# KiCad board Oblique Palette 0.5.1 PCB Main.kicad_pcb (continued)
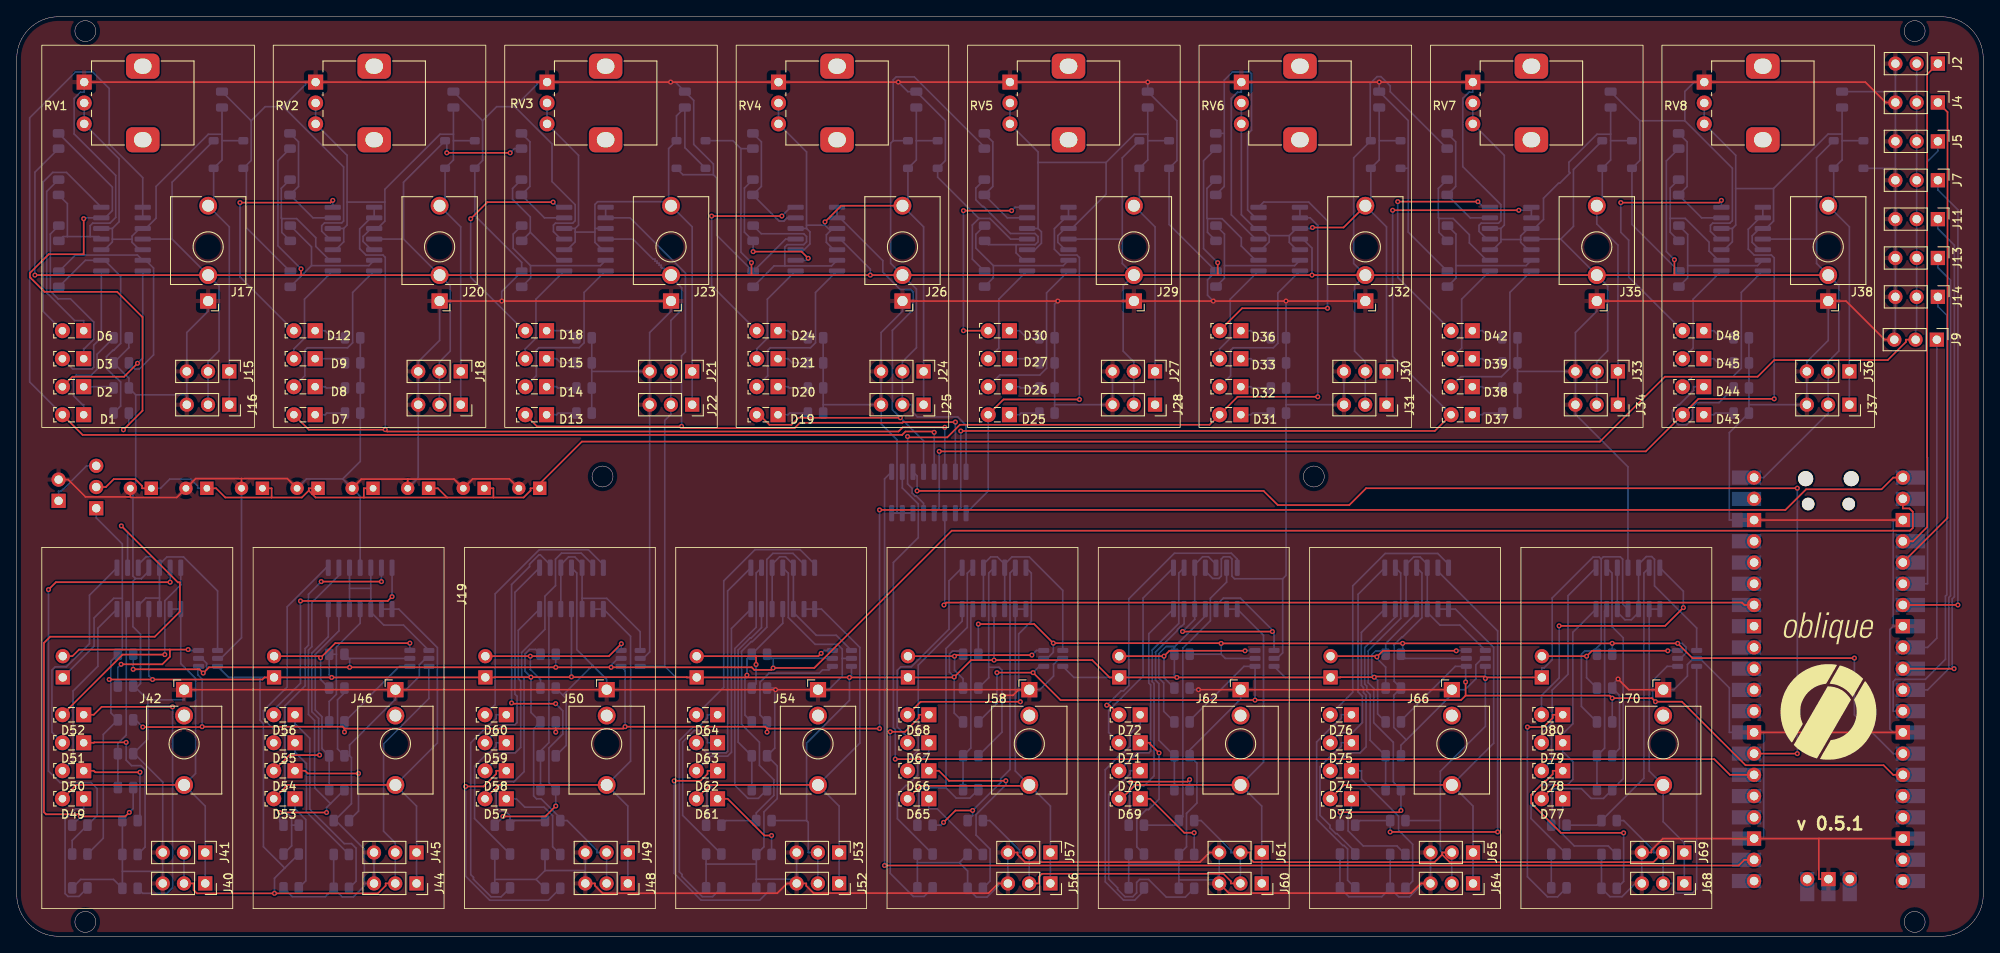
[diagram p0: board, top side]
## Placement (name value [footprint] x y rotation side) (continued)
U13  MCP4725xxx-xCH  [SOT-23-6]  48.11 33.24 180 bottom  (not fitted)
U14  MCP6004  [SOIC-14_3.9x8.7mm_P1.27mm]  41.04 41.61 90 bottom
U15  MCP4725xxx-xCH  [SOT-23-6]  73.36 33.24 180 bottom  (not fitted)
U16  MCP6004  [SOIC-14_3.9x8.7mm_P1.27mm]  66.29 41.61 90 bottom
U17  MCP4725xxx-xCH  [SOT-23-6]  98.61 33.24 180 bottom  (not fitted)
U18  MCP6004  [SOIC-14_3.9x8.7mm_P1.27mm]  91.54 41.61 90 bottom
U19  MCP4725xxx-xCH  [SOT-23-6]  123.86 33.24 180 bottom  (not fitted)
U20  MCP6004  [SOIC-14_3.9x8.7mm_P1.27mm]  116.79 41.61 90 bottom
U21  MCP4725xxx-xCH  [SOT-23-6]  149.11 33.24 180 bottom  (not fitted)
U22  MCP6004  [SOIC-14_3.9x8.7mm_P1.27mm]  142.04 41.61 90 bottom
U23  MCP4725xxx-xCH  [SOT-23-6]  174.36 33.24 180 bottom  (not fitted)
U24  MCP6004  [SOIC-14_3.9x8.7mm_P1.27mm]  167.29 41.61 90 bottom
U25  MCP4725xxx-xCH  [SOT-23-6]  199.61 33.24 180 bottom  (not fitted)
U26  MCP6004  [SOIC-14_3.9x8.7mm_P1.27mm]  192.54 41.61 90 bottom

## Library data of the parts
C1-C8 = -: Description: Polarized capacitor, small symbol; ki_fp_filters: CP_*
C9-C16 = -: Description: Unpolarized capacitor; ki_fp_filters: C_*
D1-D3 D6-D9 D12-D15 D18-D21 D24-D27 D30-D33 D36-D39 D42-D45 D48-D80 = -: Datasheet: http://www.osram-os.com/Graphics/XPic0/00203825_0.pdf; Description: 850nm High Power Infrared Emitter, Side-Emitter package; ki_fp_filters: LED*SideEmitter*Rectangular*W4.5mm*H1.6mm*
D4 D5 D10 D11 D16 D17 D22 D23 D28 D29 D34 D35 D40 D41 D46 D47 = -: Description: Diode; Sim.Device: D; Sim.Pins: 1=K 2=A; ki_fp_filters: TO-???* *_Diode_* *SingleDiode* D_*
J2 J4 J5 J7 J9 J11 J13-J16 J18 J19 J21 J22 J24 J25 J27 J28 J30 J31 J33 J34 J36 J37 J40 J41 J44 J45 J48 J49 J52 J53 J56 J57 J60 J61 J64 J65 J68 J69 J71 = -: Description: Generic connector, single row, 01x03, script generated; ki_fp_filters: Connector*:*_1x??_*
J17 J20 J23 J26 J29 J32 J35 J38 J42 J46 J50 J54 J58 J62 J66 J70 = -: Description: Audio Jack, 2 Poles (Mono / TS), Switched T Pole (Normalling); ki_fp_filters: Jack*
J39 J43 J47 J51 J55 J59 J63 J67 J72 = -: Description: Generic connector, single row, 01x02, script generated; ki_fp_filters: Connector*:*_1x??_*
R1-R152 = -: Description: Resistor; ki_fp_filters: R_*
RV1-RV8 = -: Description: Potentiometer with a mounting pin; ki_fp_filters: Potentiometer*
U1 = -: Datasheet: http://www.ti.com/lit/ds/symlink/cd4052b.pdf; Description: CMOS single 8-channel analog multiplexer demultiplexer, TSSOP-16/DIP-16/SOIC-16; ki_fp_filters: TSSOP*4.4x5mm*P0.65mm* DIP*W7.62* SOIC*3.9x9.9mm*P1.27mm* SO*5.3x10.2mm*P1.27mm*
U3-U10 U12 U14 U16 U18 U20 U22 U24 U26 = -: Datasheet: http://ww1.microchip.com/downloads/en/DeviceDoc/21733j.pdf; Description: 1MHz, Low-Power Op Amp, DIP-14/SOIC-14/TSSOP-14; ki_fp_filters: SOIC*3.9x8.7mm*P1.27mm* DIP*W7.62mm* TSSOP*4.4x5mm*P0.65mm* SSOP*5.3x6.2mm*P0.65mm* MSOP*3x3mm*P0.5mm*
U11 U13 U15 U17 U19 U21 U23 U25 = -: Datasheet: http://ww1.microchip.com/downloads/en/DeviceDoc/22039d.pdf; Description: 12-bit Digital-to-Analog Converter, integrated EEPROM, I2C interface, SOT-23-6; ki_fp_filters: SOT?23*

## Footprints (pads in the part's own frame, mm; a bottom-side part is the same pattern mirrored in y, then rotated)
C_0805_2012Metric
  rrect 1x1.45 smd: 1(-0.95,0) 2(0.95,0)
CP_Radial_D5.0mm_P2.50mm
  rect 1.6x1.6 hole 0.8: 1(0,0)
  round 1.6 hole 0.8: 2(2.5,0)
D_SOD-123
  rrect 0.9x1.2 smd: 1(-1.65,0) 2(1.65,0)
Jack_3.5mm_QingPu_WQP-PJ398SM_Vertical_CircularHoles
  rect 1.93x1.83 hole 1.22: S(0,0)
  round 2.13 hole 1.43: T(0,-11.4)
  round 2.13 hole 1.42: TN(0,-3.1)
LED_SideEmitter_Rectangular_W4.5mm_H1.6mm
  rect 1.8x1.8 hole 0.9: 1(0,0)
  round 1.8 hole 0.9: 2(2.54,0)
PinHeader_1x02_P2.54mm_Vertical
  rect 1.7x1.7 hole 1: 1(0,0)
  oval 1.7x1.7 hole 1: 2(0,-2.54)
PinHeader_1x03_P2.54mm_Vertical
  rect 1.7x1.7 hole 1: 1(0,0)
  oval 1.7x1.7 hole 1: 2(0,-2.54) 3(0,-5.08)
PinSocket_1x03_P2.54mm_Vertical
  rect 1.7x1.7 hole 1: 1(0,0)
  oval 1.7x1.7 hole 1: 2(0,-2.54) 3(0,-5.08)
Potentiometer_Alps_RK09K_Single_Vertical
  rect 1.8x1.8 hole 1: 1(0,0)
  round 1.8 hole 1: 2(0,-2.5) 3(0,-5)
  rrect 4x3 hole 2.1x1.8: MP(7,1.9) MP(7,-6.9)
R_0805_2012Metric
  rrect 1.025x1.4 smd: 1(-0.912,0) 2(0.912,0)
RPi_Pico_SMD_TH
  oval 1.8x1.8 hole 1.8 unplated: (-2.725,24) (2.725,24)
  oval 1.5x1.5 hole 1.5 unplated: (-2.425,20.97) (2.425,20.97)
  oval 1.7x1.7 hole 1.02: 1(-8.89,24.13) 2(-8.89,21.59) 4(-8.89,16.51) 5(-8.89,13.97) 6(-8.89,11.43) 7(-8.89,8.89) 9(-8.89,3.81) 10(-8.89,1.27) 11(-8.89,-1.27) 12(-8.89,-3.81) 14(-8.89,-8.89) 15(-8.89,-11.43) 16(-8.89,-13.97) 17(-8.89,-16.51) 19(-8.89,-21.59) 20(-8.89,-24.13) 21(8.89,-24.13) 22(8.89,-21.59) 24(8.89,-16.51) 25(8.89,-13.97) 26(8.89,-11.43) 27(8.89,-8.89) 29(8.89,-3.81) 30(8.89,-1.27) 31(8.89,1.27) 32(8.89,3.81) 34(8.89,8.89) 35(8.89,11.43) 36(8.89,13.97) 37(8.89,16.51) 39(8.89,21.59) 40(8.89,24.13) 41(-2.54,-23.9) 43(2.54,-23.9)
  rect 3.5x1.7 smd: 1(-8.89,24.13) 2(-8.89,21.59) 3(-8.89,19.05) 4(-8.89,16.51) 5(-8.89,13.97) 6(-8.89,11.43) 7(-8.89,8.89) 8(-8.89,6.35) 9(-8.89,3.81) 10(-8.89,1.27) 11(-8.89,-1.27) 12(-8.89,-3.81) 13(-8.89,-6.35) 14(-8.89,-8.89) 15(-8.89,-11.43) 16(-8.89,-13.97) 17(-8.89,-16.51) 18(-8.89,-19.05) 19(-8.89,-21.59) 20(-8.89,-24.13) 21(8.89,-24.13) 22(8.89,-21.59) 23(8.89,-19.05) 24(8.89,-16.51) 25(8.89,-13.97) 26(8.89,-11.43) 27(8.89,-8.89) 28(8.89,-6.35) 29(8.89,-3.81) 30(8.89,-1.27) 31(8.89,1.27) 32(8.89,3.81) 33(8.89,6.35) 34(8.89,8.89) 35(8.89,11.43) 36(8.89,13.97) 37(8.89,16.51) 38(8.89,19.05) 39(8.89,21.59) 40(8.89,24.13)
  rect 1.7x1.7 hole 1.02: 3(-8.89,19.05) 8(-8.89,6.35) 13(-8.89,-6.35) 18(-8.89,-19.05) 23(8.89,-19.05) 28(8.89,-6.35) 33(8.89,6.35) 38(8.89,19.05) 42(0,-23.9)
  rect 1.7x3.5 smd: 41(-2.54,-23.9) 42(0,-23.9) 43(2.54,-23.9)
SOIC-14_3.9x8.7mm_P1.27mm
  rrect 1.95x0.6 smd: 1(-2.475,3.81) 2(-2.475,2.54) 3(-2.475,1.27) 4(-2.475,0) 5(-2.475,-1.27) 6(-2.475,-2.54) 7(-2.475,-3.81) 8(2.475,-3.81) 9(2.475,-2.54) 10(2.475,-1.27) 11(2.475,0) 12(2.475,1.27) 13(2.475,2.54) 14(2.475,3.81)
SOIC-16_3.9x9.9mm_P1.27mm
  rrect 1.95x0.6 smd: 1(-2.475,4.445) 2(-2.475,3.175) 3(-2.475,1.905) 4(-2.475,0.635) 5(-2.475,-0.635) 6(-2.475,-1.905) 7(-2.475,-3.175) 8(-2.475,-4.445) 9(2.475,-4.445) 10(2.475,-3.175) 11(2.475,-1.905) 12(2.475,-0.635) 13(2.475,0.635) 14(2.475,1.905) 15(2.475,3.175) 16(2.475,4.445)
SOT-23-6
  rrect 1.325x0.6 smd: 1(-1.137,0.95) 2(-1.137,0) 3(-1.137,-0.95) 4(1.137,-0.95) 5(1.137,0) 6(1.137,0.95)

## Nets
GNDREF: C1.2 C2.2 C3.2 C4.2 C5.2 C6.2 C7.2 C8.2 C9.2 C10.2 C11.2 C12.2 C13.2 C14.2 C15.2 C16.2 D5.2 D11.2 D17.2 D23.2 D29.2 D35.2 D41.2 D47.2 J2.3 J4.3 J5.3 J7.3 J9.3 J11.3 J13.3 J14.3 J15.3 J16.3 J17.S J18.3 J19.3 J20.S J21.3 J22.3 J23.S J24.3 J25.3 J26.S J27.3 J28.3 J29.S J30.3 J31.3 J32.S J33.3 J34.3 J35.S J36.3 J37.3 J38.S J40.3 J41.3 J42.S J44.3 J45.3 J46.S J48.3 J49.3 J50.S J52.3 J53.3 J54.S J56.3 J57.3 J58.S J60.3 J61.3 J62.S J64.3 J65.3 J66.S J68.3 J69.3 J70.S J72.2 R1.2 R2.1 R3.2 R5.2 R7.2 R9.2 R10.1 R11.2 R13.2 R15.2 R17.2 R18.1 R19.2 R21.2 R23.2 R25.2 R26.1 R27.2 R29.2 R31.2 R33.2 R34.1 R35.2 R37.2 R39.2 R41.2 R42.1 R43.2 R45.2 R47.2 R49.2 R50.1 R51.2 R53.2 R55.2 R57.2 R58.1 R59.2 R61.2 R63.2 R66.1 R68.1 R72.2 R73.2 R74.2 R75.2 R77.1 R79.1 R83.2 R84.2 R85.2 R86.2 R88.1 R90.1 R94.2 R95.2 R96.2 R97.2 R99.1 R101.1 R105.2 R106.2 R107.2 R108.2 R110.1 R112.1 R116.2 R117.2 R118.2 R119.2 R121.1 R123.1 R127.2 R128.2 R129.2 R130.2 R132.1 R134.1 R138.2 R139.2 R140.2 R141.2 R143.1 R145.1 R149.2 R150.2 R151.2 R152.2 RV1.1 RV2.1 RV3.1 RV4.1 RV5.1 RV6.1 RV7.1 RV8.1 U1.6 U1.7 U1.8 U2.3 U2.8 U2.13 U2.18 U2.23 U2.28 U2.38 U2.42 U3.11 U4.11 U5.11 U6.11 U7.11 U8.11 U9.11 U10.11 U11.2 U12.11 U13.2 U14.11 U15.2 U16.11 U17.2 U18.11 U19.2 U20.11 U21.2 U22.11 U23.2 U24.11 U25.2 U26.11
VCC: D4.1 D10.1 D16.1 D22.1 D28.1 D34.1 D40.1 D46.1 J15.2 J16.2 J17.TN J18.2 J19.2 J20.TN J21.2 J22.2 J23.TN J24.2 J25.2 J26.TN J27.2 J28.2 J29.TN J30.2 J31.2 J32.TN J33.2 J34.2 J35.TN J36.2 J37.2 J38.TN J39.1 J40.2 J41.2 J43.1 J44.2 J45.2 J47.1 J48.2 J49.2 J51.1 J52.2 J53.2 J55.1 J56.2 J57.2 J59.1 J60.2 J61.2 J63.1 J64.2 J65.2 J67.1 J68.2 J69.2 J71.1 R8.2 R16.2 R24.2 R32.2 R40.2 R48.2 R56.2 R64.2 R65.2 R67.2 R71.1 R76.2 R78.2 R82.1 R87.2 R89.2 R93.1 R98.2 R100.2 R104.1 R109.2 R111.2 R115.1 R120.2 R122.2 R126.1 R131.2 R133.2 R137.1 R142.2 R144.2 R148.1 U1.16 U2.40 U3.4 U4.4 U5.4 U6.4 U7.4 U8.4 U9.4 U10.4 U11.3 U12.4 U13.3 U14.4 U15.3 U16.4 U17.3 U18.4 U19.3 U20.4 U21.3 U22.4 U23.3 U24.4 U25.3 U26.4
/Input 1/ANALOG_IN: D1.2 U1.13 U3.1 U3.2
/Input 2/ANALOG_IN: D7.2 U1.14 U4.1 U4.2
/Input 3/ANALOG_IN: D13.2 U1.15 U5.1 U5.2
/Input 4/ANALOG_IN: D19.2 U1.12 U6.1 U6.2
/Input 5/ANALOG_IN: D25.2 U1.1 U7.1 U7.2
/Input 6/ANALOG_IN: D31.2 U1.5 U8.1 U8.2
/Input 7/ANALOG_IN: D37.2 U1.2 U9.1 U9.2
/Input 8/ANALOG_IN: D43.2 U1.4 U10.1 U10.2
ADC: U1.3 U2.34
ADC_0: U1.11 U2.27
ADC_1: U1.10 U2.26
ADC_2: U1.9 U2.22
SCL_0: R65.1 R76.1 R87.1 R98.1 U2.2 U11.5 U13.5 U15.5 U17.5
SCL_1: R111.1 R122.1 R133.1 R144.1 U2.15 U19.4 U21.4 U23.4 U25.4
SDA_0: R67.1 R78.1 R89.1 R100.1 U2.1 U11.4 U13.4 U15.4 U17.4
SDA_1: R109.1 R120.1 R131.1 R142.1 U2.14 U19.5 U21.5 U23.5 U25.5
SERVO_1: J2.1 U2.4
SERVO_2: J4.1 U2.5
SERVO_3: J5.1 U2.6
SERVO_4: J7.1 U2.7
SERVO_5: J9.1 U2.9
SERVO_6: J11.1 U2.10
SERVO_7: J13.1 U2.11
SERVO_8: J14.1 U2.12
V_SERVO: C1.1 C2.1 C3.1 C4.1 C5.1 C6.1 C7.1 C8.1 J2.2 J4.2 J5.2 J7.2 J9.2 J11.2 J13.2 J14.2 J71.2
Net-(D1-K): D1.1 R1.1
Net-(D2-A): D2.2 U3.7
Net-(D2-K): D2.1 R3.1
Net-(D3-A): D3.2 U3.8
Net-(D3-K): D3.1 R5.1
Net-(D4-A): C9.1 D4.2 D5.1 J15.1 J16.1 J17.T RV1.2 RV1.3 U3.3 U3.5 U3.10 U3.12
Net-(D6-A): D6.2 U3.14
Net-(D6-K): D6.1 R7.1
Net-(D7-K): D7.1 R9.1
Net-(D8-A): D8.2 U4.7
Net-(D8-K): D8.1 R11.1
Net-(D9-A): D9.2 U4.8
Net-(D9-K): D9.1 R13.1
Net-(D10-A): C10.1 D10.2 D11.1 J18.1 J19.1 J20.T RV2.2 RV2.3 U4.3 U4.5 U4.10 U4.12
Net-(D12-A): D12.2 U4.14
Net-(D12-K): D12.1 R15.1
Net-(D13-K): D13.1 R17.1
Net-(D14-A): D14.2 U5.7
Net-(D14-K): D14.1 R19.1
Net-(D15-A): D15.2 U5.8
Net-(D15-K): D15.1 R21.1
Net-(D16-A): C11.1 D16.2 D17.1 J21.1 J22.1 J23.T RV3.2 RV3.3 U5.3 U5.5 U5.10 U5.12
Net-(D18-A): D18.2 U5.14
Net-(D18-K): D18.1 R23.1
Net-(D19-K): D19.1 R25.1
Net-(D20-A): D20.2 U6.7
Net-(D20-K): D20.1 R27.1
Net-(D21-A): D21.2 U6.8
Net-(D21-K): D21.1 R29.1
Net-(D22-A): C12.1 D22.2 D23.1 J24.1 J25.1 J26.T RV4.2 RV4.3 U6.3 U6.5 U6.10 U6.12
Net-(D24-A): D24.2 U6.14
Net-(D24-K): D24.1 R31.1
Net-(D25-K): D25.1 R33.1
Net-(D26-A): D26.2 U7.7
Net-(D26-K): D26.1 R35.1
Net-(D27-A): D27.2 U7.8
Net-(D27-K): D27.1 R37.1
Net-(D28-A): C13.1 D28.2 D29.1 J27.1 J28.1 J29.T RV5.2 RV5.3 U7.3 U7.5 U7.10 U7.12
Net-(D30-A): D30.2 U7.14
Net-(D30-K): D30.1 R39.1
Net-(D31-K): D31.1 R41.1
Net-(D32-A): D32.2 U8.7
Net-(D32-K): D32.1 R43.1
Net-(D33-A): D33.2 U8.8
Net-(D33-K): D33.1 R45.1
Net-(D34-A): C14.1 D34.2 D35.1 J30.1 J31.1 J32.T RV6.2 RV6.3 U8.3 U8.5 U8.10 U8.12
Net-(D36-A): D36.2 U8.14
Net-(D36-K): D36.1 R47.1
Net-(D37-K): D37.1 R49.1
Net-(D38-A): D38.2 U9.7
Net-(D38-K): D38.1 R51.1
Net-(D39-A): D39.2 U9.8
Net-(D39-K): D39.1 R53.1
Net-(D40-A): C15.1 D40.2 D41.1 J33.1 J34.1 J35.T RV7.2 RV7.3 U9.3 U9.5 U9.10 U9.12
Net-(D42-A): D42.2 U9.14
Net-(D42-K): D42.1 R55.1
Net-(D43-K): D43.1 R57.1
Net-(D44-A): D44.2 U10.7
Net-(D44-K): D44.1 R59.1
Net-(D45-A): D45.2 U10.8
Net-(D45-K): D45.1 R61.1
Net-(D46-A): C16.1 D46.2 D47.1 J36.1 J37.1 J38.T RV8.2 RV8.3 U10.3 U10.5 U10.10 U10.12
Net-(D48-A): D48.2 U10.14
Net-(D48-K): D48.1 R63.1
Net-(D49-A): D49.2 J40.1 J41.1 J42.T U12.1 U12.2
Net-(D49-K): D49.1 R72.1
Net-(D50-A): D50.2 U12.7
Net-(D50-K): D50.1 R73.1
Net-(D51-A): D51.2 U12.8
Net-(D51-K): D51.1 R74.1
Net-(D52-A): D52.2 U12.14
Net-(D52-K): D52.1 R75.1
Net-(D53-A): D53.2 J44.1 J45.1 J46.T U14.1 U14.2
Net-(D53-K): D53.1 R83.1
Net-(D54-A): D54.2 U14.7
Net-(D54-K): D54.1 R84.1
Net-(D55-A): D55.2 U14.8
Net-(D55-K): D55.1 R85.1
Net-(D56-A): D56.2 U14.14
Net-(D56-K): D56.1 R86.1
Net-(D57-A): D57.2 J48.1 J49.1 J50.T U16.1 U16.2
Net-(D57-K): D57.1 R94.1
Net-(D58-A): D58.2 U16.7
Net-(D58-K): D58.1 R95.1
Net-(D59-A): D59.2 U16.8
Net-(D59-K): D59.1 R96.1
Net-(D60-A): D60.2 U16.14
Net-(D60-K): D60.1 R97.1
Net-(D61-A): D61.2 J52.1 J53.1 J54.T U18.1 U18.2
Net-(D61-K): D61.1 R105.1
Net-(D62-A): D62.2 U18.7
Net-(D62-K): D62.1 R106.1
Net-(D63-A): D63.2 U18.8
Net-(D63-K): D63.1 R107.1
Net-(D64-A): D64.2 U18.14
Net-(D64-K): D64.1 R108.1
Net-(D65-A): D65.2 J56.1 J57.1 J58.T U20.1 U20.2
Net-(D65-K): D65.1 R116.1
Net-(D66-A): D66.2 U20.7
Net-(D66-K): D66.1 R117.1
Net-(D67-A): D67.2 U20.8
Net-(D67-K): D67.1 R118.1
Net-(D68-A): D68.2 U20.14
Net-(D68-K): D68.1 R119.1
Net-(D69-A): D69.2 J60.1 J61.1 J62.T U22.1 U22.2
Net-(D69-K): D69.1 R127.1
Net-(D70-A): D70.2 U22.7
Net-(D70-K): D70.1 R128.1
Net-(D71-A): D71.2 U22.8
Net-(D71-K): D71.1 R129.1
Net-(D72-A): D72.2 U22.14
Net-(D72-K): D72.1 R130.1
Net-(D73-A): D73.2 J64.1 J65.1 J66.T U24.1 U24.2
Net-(D73-K): D73.1 R138.1
Net-(D74-A): D74.2 U24.7
Net-(D74-K): D74.1 R139.1
Net-(D75-A): D75.2 U24.8
Net-(D75-K): D75.1 R140.1
Net-(D76-A): D76.2 U24.14
Net-(D76-K): D76.1 R141.1
Net-(D77-A): D77.2 J68.1 J69.1 J70.T U26.1 U26.2
Net-(D77-K): D77.1 R149.1
Net-(D78-A): D78.2 U26.7
Net-(D78-K): D78.1 R150.1
Net-(D79-A): D79.2 U26.8
Net-(D79-K): D79.1 R151.1
Net-(D80-A): D80.2 U26.14
Net-(D80-K): D80.1 R152.1
Net-(J39-Pin_2): J39.2 R66.2 U11.6
Net-(J43-Pin_2): J43.2 R77.2 U13.6
Net-(J47-Pin_2): J47.2 R88.2 U15.6
Net-(J51-Pin_2): J51.2 R99.2 U17.6
Net-(J55-Pin_2): J55.2 R110.2 U19.6
Net-(J59-Pin_2): J59.2 R121.2 U21.6
Net-(J63-Pin_2): J63.2 R132.2 U23.6
Net-(J67-Pin_2): J67.2 R143.2 U25.6
Net-(J71-Pin_3): J71.3 J72.1
Net-(U3B--): R2.2 R4.1 U3.6
Net-(U3C--): R4.2 R6.1 U3.9
Net-(U3D--): R6.2 R8.1 U3.13
Net-(U4B--): R10.2 R12.1 U4.6
Net-(U4C--): R12.2 R14.1 U4.9
Net-(U4D--): R14.2 R16.1 U4.13
Net-(U5B--): R18.2 R20.1 U5.6
Net-(U5C--): R20.2 R22.1 U5.9
Net-(U5D--): R22.2 R24.1 U5.13
Net-(U6B--): R26.2 R28.1 U6.6
Net-(U6C--): R28.2 R30.1 U6.9
Net-(U6D--): R30.2 R32.1 U6.13
Net-(U7B--): R34.2 R36.1 U7.6
Net-(U7C--): R36.2 R38.1 U7.9
Net-(U7D--): R38.2 R40.1 U7.13
Net-(U8B--): R42.2 R44.1 U8.6
Net-(U8C--): R44.2 R46.1 U8.9
Net-(U8D--): R46.2 R48.1 U8.13
Net-(U9B--): R50.2 R52.1 U9.6
Net-(U9C--): R52.2 R54.1 U9.9
Net-(U9D--): R54.2 R56.1 U9.13
Net-(U10B--): R58.2 R60.1 U10.6
Net-(U10C--): R60.2 R62.1 U10.9
Net-(U10D--): R62.2 R64.1 U10.13
Net-(U11-VOUT): U11.1 U12.3 U12.5 U12.10 U12.12
Net-(U12B--): R68.2 R69.2 U12.6
Net-(U12C--): R69.1 R70.2 U12.9
Net-(U12D--): R70.1 R71.2 U12.13
Net-(U13-VOUT): U13.1 U14.3 U14.5 U14.10 U14.12
Net-(U14B--): R79.2 R80.2 U14.6
Net-(U14C--): R80.1 R81.2 U14.9
Net-(U14D--): R81.1 R82.2 U14.13
Net-(U15-VOUT): U15.1 U16.3 U16.5 U16.10 U16.12
Net-(U16B--): R90.2 R91.2 U16.6
Net-(U16C--): R91.1 R92.2 U16.9
Net-(U16D--): R92.1 R93.2 U16.13
Net-(U17-VOUT): U17.1 U18.3 U18.5 U18.10 U18.12
Net-(U18B--): R101.2 R102.2 U18.6
Net-(U18C--): R102.1 R103.2 U18.9
Net-(U18D--): R103.1 R104.2 U18.13
Net-(U19-VOUT): U19.1 U20.3 U20.5 U20.10 U20.12
Net-(U20B--): R112.2 R113.2 U20.6
Net-(U20C--): R113.1 R114.2 U20.9
Net-(U20D--): R114.1 R115.2 U20.13
Net-(U21-VOUT): U21.1 U22.3 U22.5 U22.10 U22.12
Net-(U22B--): R123.2 R124.2 U22.6
Net-(U22C--): R124.1 R125.2 U22.9
Net-(U22D--): R125.1 R126.2 U22.13
Net-(U23-VOUT): U23.1 U24.3 U24.5 U24.10 U24.12
Net-(U24B--): R134.2 R135.2 U24.6
Net-(U24C--): R135.1 R136.2 U24.9
Net-(U24D--): R136.1 R137.2 U24.13
Net-(U25-VOUT): U25.1 U26.3 U26.5 U26.10 U26.12
Net-(U26B--): R145.2 R146.2 U26.6
Net-(U26C--): R146.1 R147.2 U26.9
Net-(U26D--): R147.1 R148.2 U26.13

Pads without a net: J42 TN; J46 TN; J50 TN; J54 TN; J58 TN; J62 TN; J66 TN; J70 TN; RV1 MP; RV2 MP; RV3 MP; RV4 MP; RV5 MP; RV6 MP; RV7 MP; RV8 MP; U2 16 17 19 20 21 24 25 29 30 31 32 33 35 36 37 39 41 43

## Via types
v1: diameter 0.6, hole 0.3, Top to Bottom, 164 vias

## Routing (per net, layer and track width the routed paths; a pad name or vN(x,y) marks a point on that pad's centre or on a via; arc(x,y) is an arc through that point)
GNDREF: length 2097.1
  Top w0.2: J32.S v1(151.68,75.99) v1(142.99,75.99) J29.S v1(124.4,75.99) J26.S ; 215.35,11.69 U2.23 196.73,11.69 195.35,10.31 195.35,10.02 J69.3 ; 215.35,11.69 U2.18 ; 215.35,11.69 215.35,6.84 U2.42 ; C5.2 46.72,54.69 ; 46.72,54.69 52.26,54.69 C3.2 54.48,54.71 58.88,54.71 C1.2 ; 46.72,54.69 41.18,54.69 C7.2 ; v1(191.36,30.78) 192.63,29.5 J70.S ; J9.3 223.22,71.37 218.6,75.99 J38.S J35.S ; J72.2 6.15,54.63 8.22,52.56 13.58,52.56 ; 26.86,54.75 21.38,54.75 C6.2 19.12,52.49 13.65,52.49 13.58,52.56 ; 26.86,54.75 C4.2 ; 26.86,54.75 32.34,54.75 C2.2 ; J66.S J62.S v1(141.21,29.5) ; U2.38 U2.3 ; RV1.1 RV2.1 RV3.1 v1(78.14,102.18) RV4.1 v1(105.35,102.18) RV5.1 v1(135.16,102.18) RV6.1 v1(162.83,102.18) RV7.1 RV8.1 220.91,102.18 223.35,99.74 J4.3 ; v1(117.74,28.82) 119.06,28.82 119.73,29.5 ; J42.S J46.S J50.S v1(90.68,29.5) J54.S 119.73,29.5 ; 13.58,52.56 C8.2 ; J64.3 167.79,6.32 166.64,5.17 144.85,5.17 J60.3 ; 119.73,29.5 J58.S ; J56.3 117.29,6.32 116.14,5.17 95.21,5.17 94.35,6.03 94.35,6.32 J52.3 92.04,6.32 90.87,5.15 70,5.15 69.1,6.05 69.1,6.32 67.94,6.32 ; U2.28 U2.13 ; J57.3 119.6,10.02 119.6,9.75 120.48,8.87 141.39,8.87 142.54,10.02 J61.3 ; J20.S v1(57.96,75.99) J23.S
  Bottom w0.2: U6.11 91.89,83.4 R26.1 83.65,83.86 83.65,90.7 83.25,91.1 ; R50.1 166.28,84.24 166.28,91.87 ; 83.25,91.1 79.61,91.1 D17.2 ; 83.25,91.1 83.25,92.38 80.9,94.73 80.9,99.98 C11.2 78.7,102.18 v1(78.14,102.18) ; U8.11 148.05,83.4 145.14,86.31 145.14,100.23 145.89,100.98 146.34,100.98 RV6.1 ; 112.64,8.8 R116.2 ; 112.64,8.8 113.63,7.81 R117.2 114.68,4.69 115.95,4.69 117.29,6.03 117.29,6.32 J56.3 J57.3 ; 112.64,8.8 107.63,8.8 ; R97.2 57.13,6.8 ; 57.13,6.8 62.07,6.8 ; 57.13,6.8 R96.2 ; 15.66,28.28 14.25,29.69 ; 15.66,28.28 15.66,23.59 R68.1 14.05,21.84 17.45,18.45 J41.3 17.45,7.77 ; 15.66,28.28 20,28.28 J42.S ; 14.25,29.69 14.79,30.23 14.79,36.14 13.89,37.04 13.89,42.48 14.19,42.79 ; 14.25,29.69 14.16,29.69 R66.1 ; J45.3 J44.3 41.54,6.32 ; 55.67,97.56 57.35,99.23 59.51,99.23 ; 55.67,97.56 55.67,92.8 D11.2 54.74,86.21 60.34,80.61 R18.1 57.96,77.13 v1(57.96,75.99) ; 55.67,97.56 C10.2 ; 8.77,83.7 9.81,83.7 U3.11 ; 8.77,83.7 8.77,85 9.08,85.31 11.14,85.31 11.83,85.99 11.83,91.01 6.86,95.98 6.86,100.23 7.61,100.98 8.06,100.98 RV1.1 ; 8.77,83.7 6.05,83.7 ; J58.S 122.27,29.5 123.9,31.13 123.9,32.51 124.62,33.24 U19.2 ; J26.S 105.85,74.77 103.29,72.22 J24.3 103.29,64.17 102.72,63.59 ; 68.72,67.57 J21.3 ; 68.72,67.57 R19.2 68.71,65.59 R17.2 ; 68.72,67.57 R21.2 68.72,71.59 R23.2 ; 82.38,8.63 88.38,8.63 ; 82.38,8.63 R107.2 ; 82.38,8.63 R108.2 ; 88.38,8.63 88.38,6.83 ; 88.38,8.63 R105.2 89.29,10.7 89.29,14.88 90.88,16.47 90.88,20.37 R101.1 90.58,22.51 90.58,29.5 ; R140.2 R141.2 159.18,4.73 163.12,4.73 R139.2 ; R99.1 90.39,29.69 90.58,29.5 ; 143.12,6.74 138.88,6.74 ; 143.12,6.74 143.69,7.32 J61.3 ; 143.12,6.74 143.12,6.32 J60.3 ; 138.88,6.74 138.88,8.63 ; 138.88,6.74 R128.2 ; U21.2 150.61,33.24 151.28,33.91 151.28,42.77 ; 59.51,99.23 63.97,94.78 63.97,90.28 66.73,87.51 66.73,85.59 66.44,85.31 64.38,85.31 64.14,85.06 64.14,84.29 65.03,83.4 U5.11 ; 59.51,99.23 62.17,101.89 62.17,102.18 RV3.1 ; 90.58,29.5 v1(90.68,29.5) ; 14.19,42.79 14.89,42.79 15.79,43.68 U12.11 ; 14.19,42.79 13.89,43.09 13.89,53.29 C8.2 14.22,54.23 14.22,64.77 ; 68.82,32.4 66.92,34.29 66.92,43.45 U16.11 ; 68.82,32.4 70.5,30.72 J50.S ; 68.82,32.4 65.26,28.84 ; v1(105.35,102.18) 106.49,101.04 C12.2 110.97,97.57 110.97,92.79 D23.2 110.05,90.8 114.98,85.87 ; 6.05,83.7 5.54,83.7 R5.2 ; 6.05,83.7 6.05,87.64 R7.2 ; 158.03,63.59 151.69,63.59 ; 158.03,63.59 J31.3 ; 158.03,63.59 158.6,64.17 J30.3 ; U2.13 224.24,24.39 223.84,24.79 223.84,36.69 224.24,37.09 224.24,37.09 ; J28.3 130.37,63.59 ; 130.37,63.59 130.95,64.17 J27.3 ; 130.37,63.59 124.03,63.59 ; 39.78,21.59 40,21.37 40,15.86 38.04,13.91 ; 39.78,21.59 39.78,22.89 45.17,28.28 45.25,28.28 J46.S 46.52,29.5 48.11,31.1 48.11,32.48 48.87,33.24 U13.2 ; 39.78,21.59 R79.1 38.34,22.41 38.34,28.3 39.16,29.12 R77.1 ; J21.3 J22.3 75.63,34.01 74.86,33.24 U15.2 ; J21.3 75.63,72.22 78.19,74.77 J23.S ; 102.72,63.59 96.37,63.59 ; 102.72,63.59 J25.3 103.29,61.3 105.19,59.4 105.19,50.61 ; U22.11 142.04,43.68 142.91,42.81 143.67,42.81 143.94,43.09 143.94,45.13 144.2,45.39 144.96,45.39 145.21,45.14 145.21,43.07 145.52,42.77 151.28,42.77 ; 41.54,6.32 41.54,10.41 38.04,13.91 ; 41.54,6.32 41.54,6.03 40.22,4.71 38.9,4.71 R86.2 ; R110.1 116.16,30.93 116.16,32.18 ; 98.65,33.24 98.65,31.13 97.02,29.5 J54.S ; 98.65,33.24 U17.2 ; 98.65,33.24 98.65,34.35 98.08,34.92 95.41,34.92 92.2,38.13 92.2,43.43 U18.11 ; C15.2 193.95,97.56 ; 193.95,97.56 193.95,92.8 D41.2 193.02,85.15 R58.1 ; 193.95,97.56 199.34,97.56 ; 96.37,63.59 R27.2 R29.2 96.37,68.59 R31.2 ; 96.37,63.59 96.37,62.59 R25.2 ; RV2.1 34.52,102.18 34.52,101.89 31.86,99.23 ; R121.1 140.35,29.5 v1(141.21,29.5) ; J33.3 186.26,72.22 188.82,74.77 J35.S ; J33.3 179.34,67.57 ; J33.3 J34.3 186.26,62.44 192.54,56.16 U26.11 ; U2.23 208.76,11.69 208.76,24.39 U2.28 204.66,24.39 204.66,29.71 201.13,33.24 U25.2 200.37,33.24 199.65,32.51 199.65,31.13 198.02,29.5 J70.S ; D35.2 166.28,91.87 ; 166.28,91.87 166.28,97.58 C14.2 162.81,102.17 v1(162.83,102.18) ; 62.07,6.8 R95.2 ; 62.07,6.8 63.13,7.86 ; J62.S 146.25,28.28 146.17,28.28 140.16,22.27 R123.1 141.03,20.72 141.03,15.94 139.79,14.7 139.79,10.7 R127.2 138.88,8.63 ; R72.2 7.64,6.8 11.57,6.8 R75.2 12.63,7.77 ; U1.6 U1.7 105.19,50.61 ; 168.37,6.32 168.94,6.9 J65.3 ; 168.37,6.32 167.79,6.32 167.79,6.08 166.43,4.72 165.15,4.72 R139.2 ; 168.37,6.32 J64.3 ; 88.38,6.83 93.19,6.83 ; 88.38,6.83 R106.2 ; R1.2 13.4,70.41 R2.1 13.4,66.77 R3.2 14.22,64.77 ; 199.34,97.56 205.02,91.88 205.02,85.6 204.72,85.31 202.67,85.31 202.4,85.04 202.4,84.32 203.32,83.4 U10.11 ; 199.34,97.56 199.34,101.06 200.46,102.18 RV8.1 ; 14.22,64.77 20.32,64.77 ; U1.8 105.19,50.61 ; 20.32,64.77 J15.3 20.32,72.22 22.88,74.77 J17.S ; 20.32,64.77 J16.3 ; J52.3 93.19,6.83 ; 93.19,6.83 J53.3 ; R151.2 183.38,8.8 ; 183.38,8.8 189.38,8.8 ; 183.38,8.8 R152.2 ; R119.2 107.63,8.8 ; 107.63,8.8 R118.2 ; U7.11 118.76,83.4 116.29,85.87 114.98,85.87 ; 151.69,63.59 151.69,62.59 R41.2 151.68,43.17 151.28,42.77 ; 151.69,63.59 R43.2 R45.2 151.69,71.59 R47.2 v1(151.68,75.99) ; 213.34,63.59 213.92,64.17 213.92,68.72 216.47,71.28 J38.S ; 213.34,63.59 207,63.59 ; 213.34,63.59 213.92,63.59 ; U11.2 24.4,33.24 26.86,35.7 C4.2 ; 67.94,7.86 67.94,10.02 ; 67.94,7.86 67.94,6.32 ; 67.94,7.86 63.13,7.86 ; 38.04,13.91 37.95,13.91 R84.2 ; 138.88,8.63 132.88,8.63 ; 179.34,67.57 R53.2 179.34,71.59 R55.2 ; 179.34,67.57 R51.2 179.34,62.59 R49.2 ; 116.16,32.18 116.16,43.46 U20.11 ; 116.16,32.18 117.38,32.18 117.74,31.83 v1(117.74,28.82) 117.74,24.41 R112.1 ; R86.2 36.88,4.74 32.93,4.74 R83.2 ; R86.2 R85.2 ; J20.S 50.53,71.28 47.98,68.72 47.98,54.85 C5.2 ; 207,63.59 207,62.59 R57.2 204.66,60.25 204.66,49.79 U2.38 ; 207,63.59 R59.2 R61.2 207,71.59 R63.2 ; R139.2 R138.2 ; 224.5,91.87 J5.3 J4.3 224.5,101.04 ; 224.5,91.87 D47.2 ; 224.5,91.87 J7.3 J11.3 J13.3 J14.3 224.5,72.65 224.37,72.52 J9.3 ; R73.2 R74.2 12.63,7.77 ; 224.24,37.09 224.24,37.09 224.24,49.79 U2.3 ; 224.24,37.09 U2.8 ; R15.2 41.06,71.59 R13.2 R11.2 41.06,62.59 R9.2 41.05,56.81 38.96,54.71 ; RV7.1 174,100.98 173.55,100.98 172.8,100.23 172.8,92.07 177.36,87.51 177.36,85.59 177.07,85.31 175.01,85.31 174.74,85.04 174.74,84.32 175.66,83.4 U9.11 ; R33.2 124.03,62.59 124.03,63.59 ; 31.86,99.23 29.69,99.23 28.01,97.56 ; 31.86,99.23 39.06,92.03 39.06,85.56 38.84,85.34 36.78,85.34 36.45,85 36.45,84.34 37.39,83.4 U4.11 ; 63.13,7.86 R94.2 ; R130.2 132.88,8.63 ; 132.88,8.63 R129.2 ; 114.98,85.87 114.2,85.08 114.2,81 R34.1 ; 38.96,54.71 34.62,54.71 C2.2 ; 38.96,54.71 C7.2 41.04,52.63 U14.11 ; 124.03,63.59 R35.2 R37.2 124.02,68.59 R39.2 124.02,75.61 v1(124.4,75.99) ; v1(135.16,102.18) C13.2 138.64,97.56 138.64,92.8 D29.2 137.71,85.15 R42.1 142.3,78.53 142.3,76.68 v1(142.99,75.99) ; 65.26,28.84 65.66,28.44 65.66,22.84 R90.1 ; 65.26,28.84 R88.1 ; 166.05,23.49 164.56,24.99 164.56,28.83 R132.1 164.6,30.51 164.6,34.88 165.5,35.78 165.59,35.78 167.93,38.12 167.93,43.45 U24.11 ; 166.05,23.49 165.41,22.85 R134.1 ; 166.05,23.49 172.06,29.5 ; 224.5,101.04 C16.2 ; 224.5,101.04 J2.3 ; 189.38,8.8 R150.2 190.38,4.74 191.83,4.74 194.19,7.1 194.19,7.38 ; 189.38,8.8 R149.2 ; 194.19,7.38 J68.3 ; 194.19,7.38 J69.3 ; 12.63,7.77 17.45,7.77 ; R145.1 191.53,22.46 191.53,28.82 R143.1 190.66,30.08 v1(191.36,30.78) ; R10.1 27.44,84.76 27.44,91.51 D5.2 28.01,92.8 28.01,97.56 ; 17.45,7.77 J40.3 ; U23.2 175.12,33.24 174.36,32.48 174.36,30.79 173.07,29.5 172.06,29.5 ; 172.06,29.5 J66.S ; 28.01,97.56 C9.2
VCC: length 1478.9
  Top w0.2: v1(2.17,79.09) J17.TN 33.98,79.09 ; 170.33,9.77 170.33,10.02 J65.2 ; 170.33,9.77 171.24,8.87 195.58,8.87 J69.2 ; 170.33,9.77 169.43,8.87 147.8,8.87 147.39,9.28 147.39,10.02 J61.2 ; J38.TN 198.09,79.09 ; 198.09,79.09 v1(198.09,80.93) ; 198.09,79.09 J35.TN J32.TN v1(154.78,79.09) 143.52,79.09 ; 33.98,79.09 v1(33.98,79.84) ; 33.98,79.09 J20.TN J23.TN 87.8,79.09 ; v1(51.39,93.72) v1(58.96,93.72) ; 87.26,30.97 J51.1 80.1,30.97 80.07,30.99 66.29,30.99 ; 87.26,30.97 v1(87.26,31.23) ; 87.26,30.97 v1(99.51,30.97) J55.1 111.98,30.97 v1(112.03,31.01) 114.05,33.03 v1(116.79,33.03) 128.53,33.03 130.6,30.97 J59.1 v1(138.63,30.97) J63.1 158.15,30.97 158.18,30.99 v1(162.22,30.99) 162.31,31.08 175.39,31.08 175.5,30.97 ; 66.29,30.99 v1(61.45,30.99) 57.18,30.99 57.15,30.97 J47.1 v1(37.63,30.97) J43.1 29.6,30.97 29.35,30.72 v1(16.23,30.72) v1(11.05,30.72) ; 66.29,30.99 v1(66.29,31.03) ; 143.52,79.09 v1(143.52,80.57) ; 143.52,79.09 J29.TN J26.TN v1(102,79.09) 87.8,79.09 ; 175.5,30.97 v1(175.5,30.84) ; 175.5,30.97 J67.1 ; J56.2 122.14,6.32 122.14,7.11 122.5,7.48 144.2,7.48 145.08,6.59 145.08,6.32 J60.2 ; 87.8,79.09 v1(87.8,80.57) ; J44.2 44.08,6.32 44.08,6.05 43.17,5.14 v1(30.8,5.14) 21.53,5.14 21.14,5.53 21.14,6.32 J40.2
  Bottom w0.2: U7.4 132.11,83.4 ; 132.11,83.4 132.11,93.12 D28.1 ; 132.11,83.4 132.11,80.48 J29.TN 132.22,77.8 132.22,69.99 133.49,68.72 J27.2 J28.2 ; J59.1 126.32,30.97 U19.3 ; D46.1 215.08,93.12 215.08,83.4 ; v1(33.98,79.84) 31.21,82.6 31.21,92.78 R16.2 ; R48.2 141.82,92.76 141.82,82.26 v1(143.52,80.57) ; v1(51.39,93.72) 51.39,94.96 D10.1 46.22,90.2 46.22,83.4 ; 38.2,33.74 38.2,34.6 41.04,37.44 U14.4 ; 38.2,33.74 38.2,28.95 37.34,28.09 R78.2 ; 38.2,33.74 R76.2 37.34,31.26 v1(37.63,30.97) ; 215.08,83.4 215.08,80.48 J38.TN 217.74,77.82 217.74,70 216.46,68.72 J36.2 J37.2 216.46,62.44 216.33,62.44 208.76,54.87 U2.40 ; 215.08,83.4 U10.4 ; R87.2 62.02,34.31 61.28,34.31 60.74,33.77 60.74,31.7 v1(61.45,30.99) 61.45,26.78 R89.2 61.77,24.82 61.77,16.79 62.12,16.44 62.66,16.44 64.95,14.15 R93.1 65.78,13.84 69.33,10.29 69.33,10.02 J49.2 J48.2 ; J56.2 J57.2 119.83,10.02 119.83,10.29 116.28,13.84 R115.1 ; R24.2 59.47,94.22 v1(58.96,93.72) ; U5.4 73.63,83.4 76.03,81 76.28,81 76.28,80.76 76.52,80.76 76.52,80.51 76.77,80.51 76.77,80.27 77.01,80.27 77.01,80.02 77.05,80.02 77.05,79.98 77.09,79.98 77.09,79.94 77.13,79.94 77.13,79.9 77.38,79.9 77.38,79.66 77.62,79.66 77.62,79.41 77.87,79.41 77.87,79.17 ; U17.3 99.75,31.2 v1(99.51,30.97) 99.51,28.23 94.38,23.1 94.38,13.84 ; U6.4 98.41,83.4 102,79.81 v1(102,79.09) ; v1(30.8,5.14) 30.8,6.94 32.02,8.16 ; U26.4 191.91,39.78 191.91,45.11 191.63,45.39 189.6,45.39 189.34,45.13 ; v1(198.09,80.93) 197.13,81.9 197.13,92.75 R64.2 ; 188.45,34.13 R142.2 ; 188.45,34.13 187.37,34.13 186.98,33.74 186.98,27.5 R144.2 ; 188.45,34.13 189.34,35.03 189.34,45.13 ; 77.44,32.29 77.44,61.7 78.17,62.44 J22.2 J21.2 78.17,73.67 79.46,74.96 79.46,77.57 77.87,79.17 ; 77.44,32.29 U15.3 ; 77.44,32.29 78.76,30.97 J51.1 ; R126.1 141.53,13.84 145.08,10.29 145.08,10.02 J61.2 J60.2 ; 138.22,34.66 138.34,34.54 R120.2 138.34,31.26 v1(138.63,30.97) ; 138.22,34.66 137.34,34.66 136.49,33.81 136.49,30.88 137.06,30.31 137.06,26.91 R122.2 ; 138.22,34.66 138.38,34.66 142.04,38.33 U22.4 ; R40.2 115.63,94.43 107.25,102.8 105.09,102.8 104.73,102.44 104.73,95.17 ; 77.87,79.17 78.11,79.17 J23.TN ; 12.61,40.43 12.61,34.27 R65.2 11.25,32.91 11.25,30.72 ; 12.61,40.43 11.59,40.43 9.24,38.07 9.24,34.7 J39.1 ; 12.61,40.43 12.61,46.93 9.5,50.05 J71.1 ; 104.73,95.17 104.43,94.87 104.43,80.5 J26.TN 107.51,77.42 107.51,70.41 105.83,68.72 105.83,63.59 106.98,63.59 106.98,62.78 107.63,62.13 112.45,62.13 113.44,61.13 U1.16 ; 104.73,95.17 D22.1 ; 86.54,94.22 86.54,81.83 v1(87.8,80.57) ; 86.54,94.22 85.59,95.17 D16.1 ; 86.54,94.22 R32.2 ; 46.22,83.4 J20.TN 51.8,77.82 51.8,70.01 50.52,68.72 J18.2 J19.2 ; 46.22,83.4 U4.4 ; D4.1 18.56,90.2 18.56,83.4 ; 11.25,30.72 11.25,26.72 R67.2 10.34,24.14 10.34,11.73 R71.1 ; 11.25,30.72 v1(11.05,30.72) ; J52.2 J53.2 94.58,10.02 94.58,13.64 94.38,13.84 ; U9.4 184.51,83.4 ; 184.51,83.4 186.03,84.92 186.03,91.72 D40.1 ; 184.51,83.4 J35.TN 190.12,77.79 190.12,70.04 188.8,68.72 J33.2 J34.2 ; U8.4 153.71,83.4 154.78,82.32 v1(154.78,79.09) ; R100.2 87.02,26.46 87.02,31 v1(87.26,31.23) 87.26,33.16 R98.2 91.54,37.44 U18.4 ; U24.4 167.29,38.71 163.59,35.01 R131.2 163.2,34.12 162.37,34.12 161.93,33.68 161.93,31.29 v1(162.22,30.99) 162.63,30.59 162.63,26.6 R133.2 ; R148.1 192.03,13.84 195.58,10.29 195.58,10.02 J69.2 J68.2 197.89,6.32 197.89,5.51 198.22,5.17 200.28,5.17 200.75,5.64 U25.3 ; R111.2 112.03,26.7 v1(112.03,31.01) 111.46,31.58 111.46,33.76 111.82,34.12 112.71,34.12 R109.2 ; 18.56,83.4 U3.4 ; 18.56,83.4 J17.TN 24.18,77.79 24.18,70.04 22.86,68.72 J15.2 J16.2 ; 189.34,45.13 189.1,45.37 188.38,45.37 183.48,40.46 183.48,33.07 182.52,32.12 182.25,32.12 J67.1 ; J63.1 151.57,30.97 U21.3 ; 29.08,30.97 29.08,25.84 29.48,25.44 29.48,25.13 29.48,25.13 29.48,10.71 32.02,8.16 ; 29.08,30.97 J43.1 ; 29.08,30.97 25.33,30.97 U11.3 ; 32.02,8.16 R82.1 ; 170.12,13.84 170.12,19.73 175.5,25.11 v1(175.5,30.84) U23.3 ; 170.12,13.84 R137.1 ; 170.12,13.84 170.12,10.23 170.33,10.02 J65.2 J64.2 ; 94.38,13.84 R104.1 ; v1(16.23,30.72) 15.79,31.16 U12.4 ; R8.2 2.17,91.4 v1(2.17,79.09) ; U20.4 v1(116.79,33.03) ; J40.2 J41.2 ; U16.4 v1(66.29,31.03) ; R56.2 164.13,101.03 164.13,101.72 163.03,102.83 162.56,102.83 161.74,102.02 161.74,95.24 D34.1 159.77,93.12 159.77,80.48 J32.TN 159.87,77.8 159.87,69.99 161.15,68.72 J30.2 J31.2 ; J44.2 J45.2 45.23,11.17 43.84,12.57 43.84,23.02 49.25,28.44 U13.3
